# KiCad board C1581i.kicad_pcb
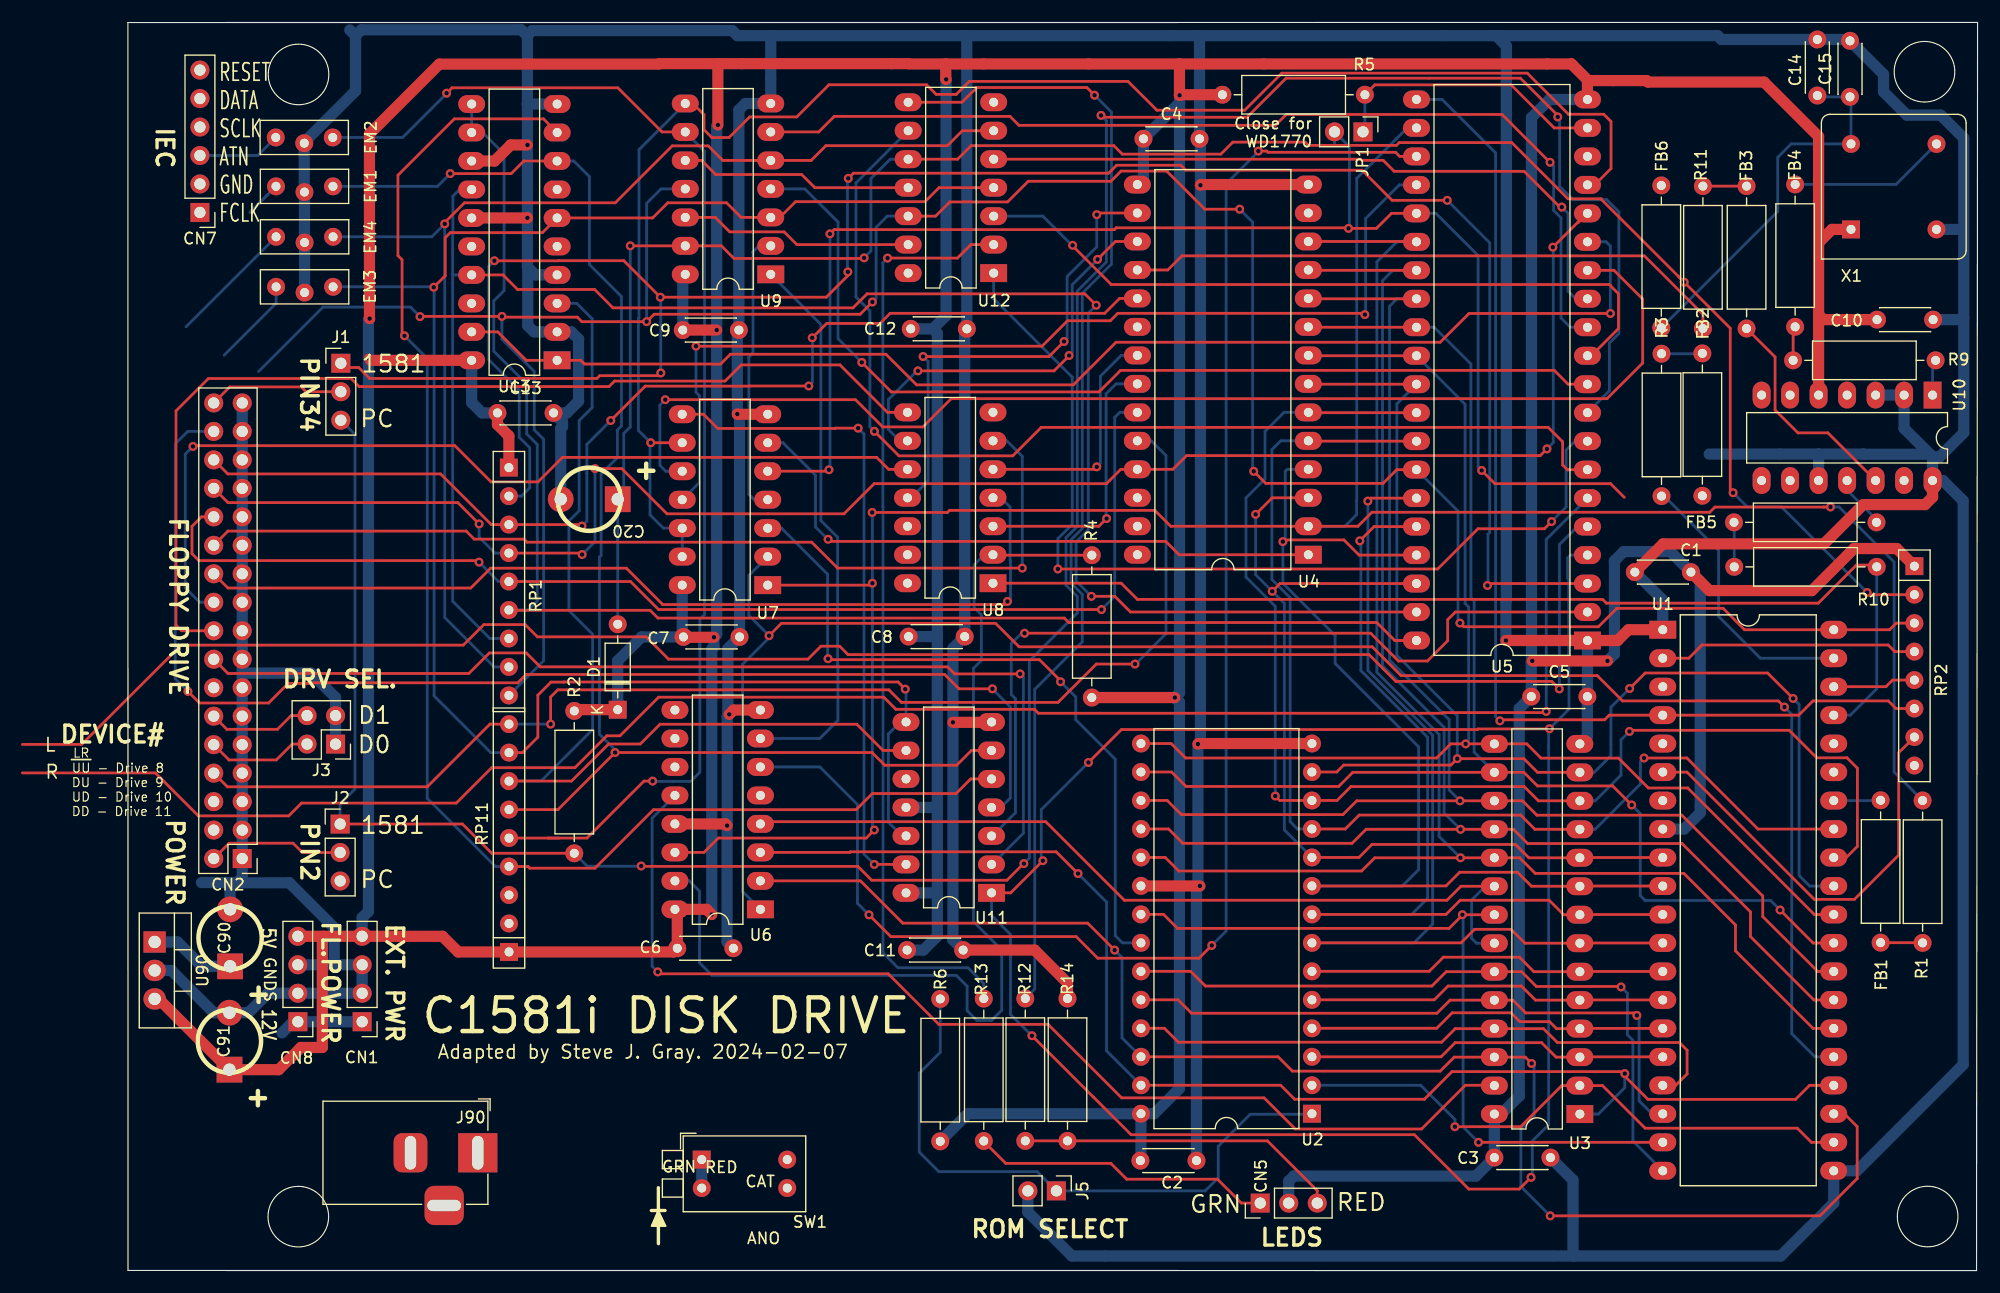
[diagram p0: board, top side]
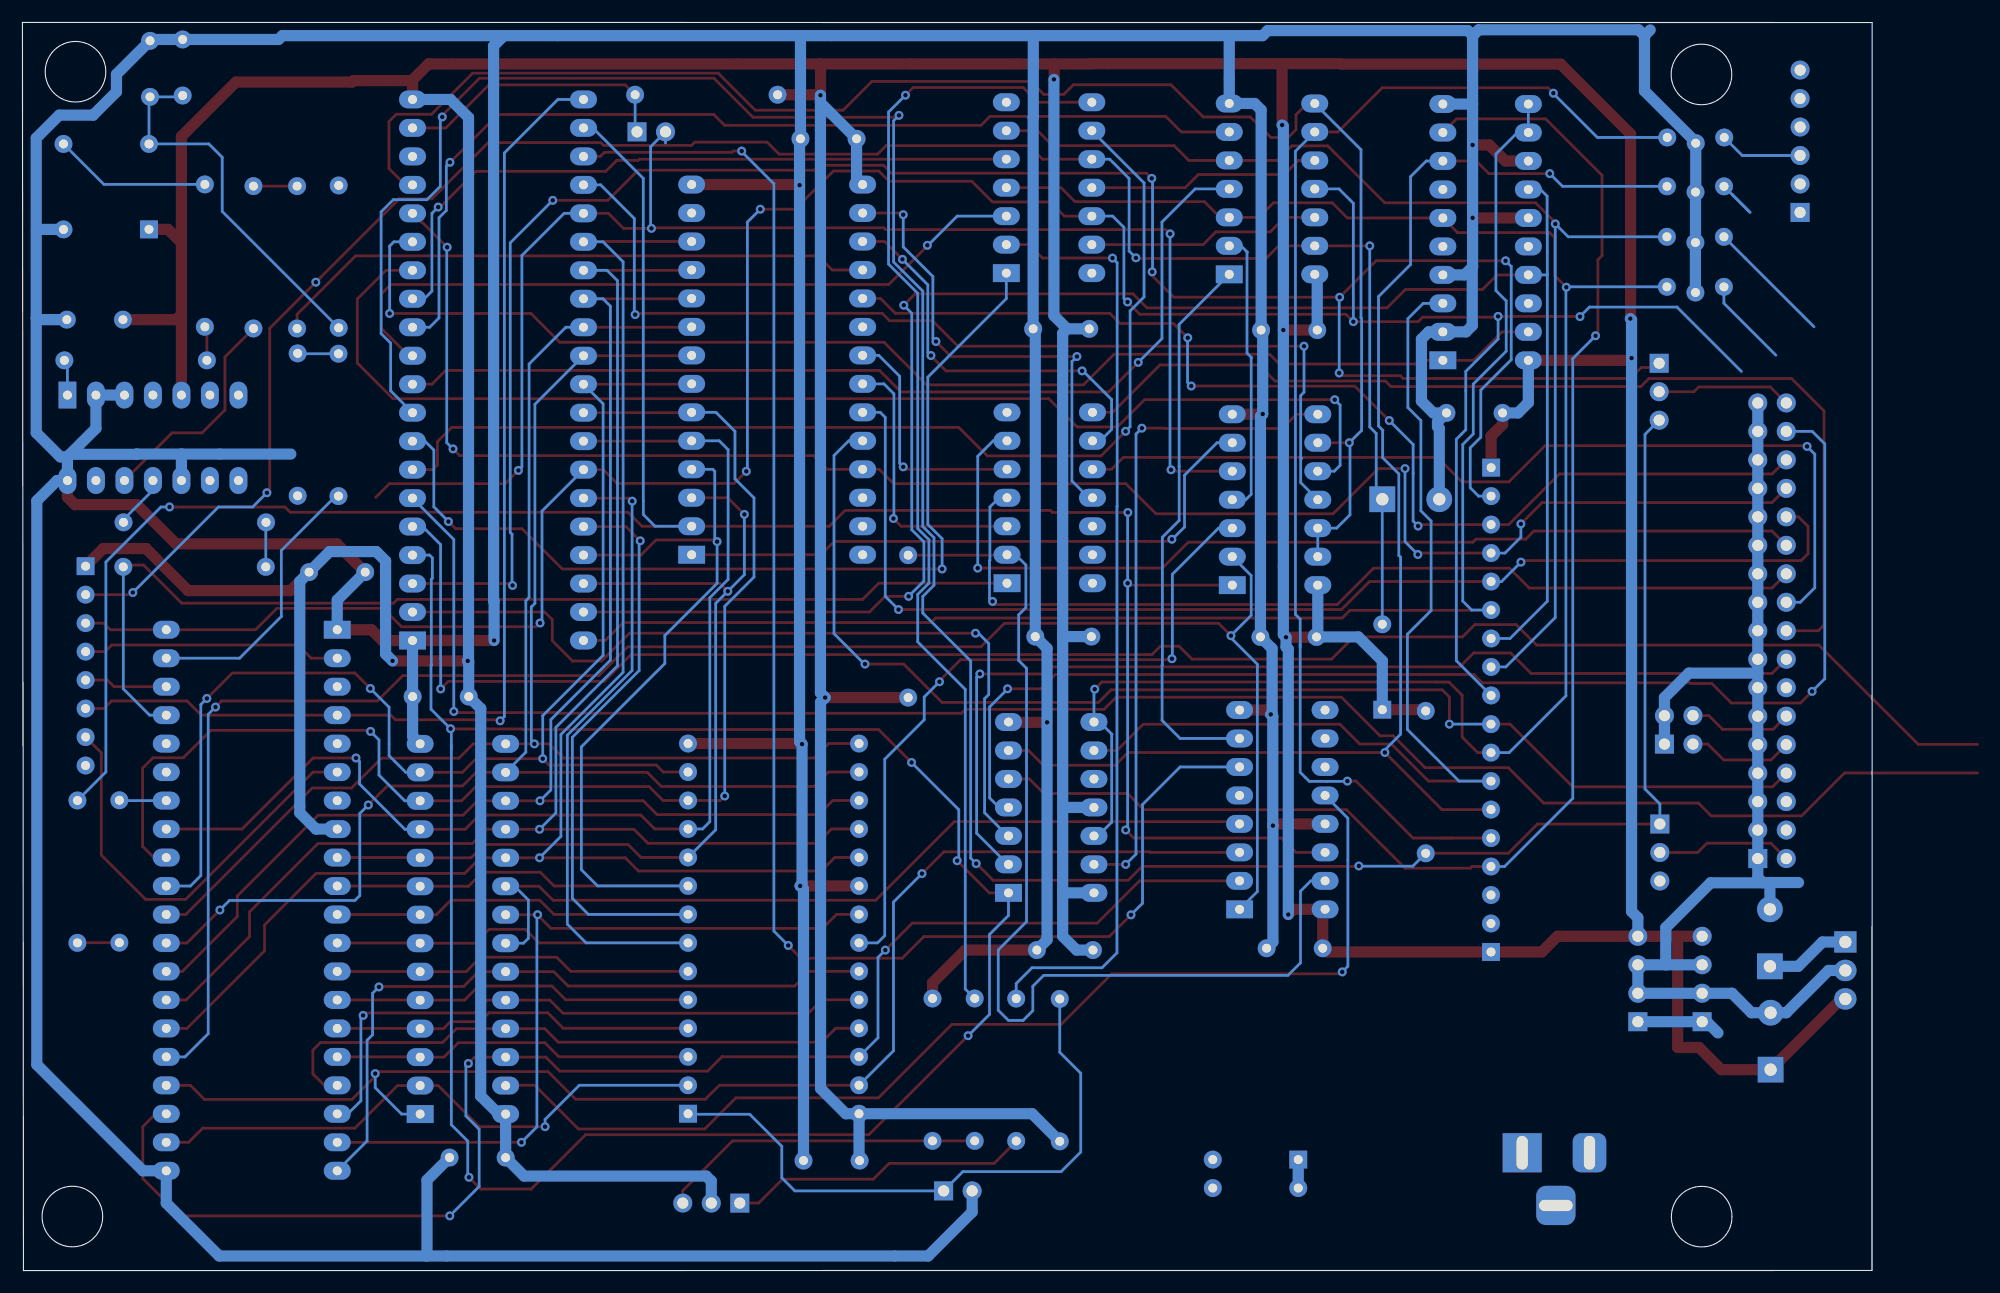
[diagram p1: board, bottom side, seen from below]

Outline 164.87 x 111.33 mm; copper layers: Top, Bottom. Coordinates in mm from the lower left corner of the outline.
Outline path: circle c15.19,4.81 r2.7 ; circle c15.21,106.69 r2.7 ; circle c160.14,106.93 r2.7 ; circle c160.42,4.82 r2.7 ; 0,111.32 0.01,0.01 164.78,0 164.87,111.33 0,111.32

## Placement (name value [footprint] x y rotation side)
C1  0.1uF  [C_Disc_D4.3mm_W1.9mm_P5.00mm]  139.32 62.3 180 top
C2  0.1uF  [C_Disc_D4.3mm_W1.9mm_P5.00mm]  90.25 9.81 0 top
C3  0.1uF  [C_Disc_D4.3mm_W1.9mm_P5.00mm]  121.8 10.08 0 top
C4  0.1uF  [C_Disc_D4.3mm_W1.9mm_P5.00mm]  90.52 100.95 0 top
C5  0.1uF  [C_Disc_D4.3mm_W1.9mm_P5.00mm]  125.09 51.2 0 top
C6  0.1uF  [C_Disc_D4.3mm_W1.9mm_P5.00mm]  48.97 28.75 0 top
C7  0.1uF  [C_Disc_D4.3mm_W1.9mm_P5.00mm]  49.52 56.52 0 top
C8  0.1uF  [C_Disc_D4.3mm_W1.9mm_P5.00mm]  69.59 56.55 0 top
C9  0.1uF  [C_Disc_D4.3mm_W1.9mm_P5.00mm]  49.46 83.89 0 top
C10  0.1uF  [C_Disc_D4.3mm_W1.9mm_P5.00mm]  155.91 84.82 0 top
C11  0.1uF  [C_Disc_D4.3mm_W1.9mm_P5.00mm]  69.45 28.59 0 top
C12  0.1uF  [C_Disc_D4.3mm_W1.9mm_P5.00mm]  69.78 84 0 top
C13  0.1uF  [C_Disc_D4.3mm_W1.9mm_P5.00mm]  32.94 76.5 0 top
C14  0.1uF  [C_Disc_D4.3mm_W1.9mm_P5.00mm]  150.59 104.81 90 top
C15  0.01uF  [C_Disc_D4.3mm_W1.9mm_P5.00mm]  153.5 104.69 90 top
C20  47uF  [CAP_RADIAL_P5.08MM_D6MM]  41.12 68.8 180 top
C90  0.33uF  [CAP_RADIAL_P5.08MM_D6MM]  9.11 29.68 90 top
C91  .1uF  [CAP_RADIAL_P5.08MM_D6MM]  9.05 20.46 90 top
CN1  FLOPPY POWER  [PinHeader_1x04_P2.54mm_Vertical]  20.88 22.2 180 top
CN2  FLOPPY  [PinHeader_2x17_P2.54mm_Vertical]  10.19 36.75 180 top
CN5  LEDS  [PinHeader_1x03_P2.54mm_Vertical]  100.93 6.02 90 top
CN7  INTERNAL IEC  [PinHeader_1x06_P2.54mm_Vertical]  6.42 94.38 180 top
CN8  EXTERNAL POWER  [PinHeader_1x04_P2.54mm_Vertical]  15.15 22.2 180 top
D1  1N914  [D_DO-35_SOD27_P7.62mm_Horizontal]  43.66 50.03 90 top
EM1  EMI  [EMI_Filter]  18.28 96.71 270 top
EM2  EMI  [EMI_Filter]  18.26 101.07 270 top
EM3  EMI  [EMI_Filter]  18.29 87.75 270 top
EM4  EMI  [EMI_Filter]  18.29 92.21 270 top
FB1  R  [R_Axial_DIN0309_L9.0mm_D3.2mm_P12.70mm_Horizontal]  156.23 29.25 90 top
FB2  R  [R_Axial_DIN0309_L9.0mm_D3.2mm_P12.70mm_Horizontal]  140.34 81.81 270 top
FB3  R  [R_Axial_DIN0309_L9.0mm_D3.2mm_P12.70mm_Horizontal]  144.28 84.03 90 top
FB4  R  [R_Axial_DIN0309_L9.0mm_D3.2mm_P12.70mm_Horizontal]  148.61 96.88 270 top
FB5  R  [R_Axial_DIN0309_L9.0mm_D3.2mm_P12.70mm_Horizontal]  143.16 66.74 0 top
FB6  R  [R_Axial_DIN0309_L9.0mm_D3.2mm_P12.70mm_Horizontal]  136.68 96.79 270 top
J1  PIN34  [PinHeader_1x03_P2.54mm_Vertical]  18.98 80.93 0 top
J2  PIN2  [PinHeader_1x03_P2.54mm_Vertical]  18.92 39.83 0 top
J3  DRIVE SELECT  [PinHeader_2x02_P2.54mm_Vertical]  18.51 46.96 180 top
J5  ROM SELECT  [PinHeader_1x02_P2.54mm_Vertical]  82.76 7.11 270 top
J90  Barrel_Jack  [BarrelJack_Horizontal]  31.19 10.51 0 top
JP1  FDC TYPE  [PinHeader_1x02_P2.54mm_Vertical]  110.09 101.57 270 top
R1  47  [R_Axial_DIN0309_L9.0mm_D3.2mm_P12.70mm_Horizontal]  159.97 29.23 90 top
R2  1K  [R_Axial_DIN0309_L9.0mm_D3.2mm_P12.70mm_Horizontal]  39.79 49.92 270 top
R3  47  [R_Axial_DIN0309_L9.0mm_D3.2mm_P12.70mm_Horizontal]  136.7 81.78 270 top
R4  1K  [R_Axial_DIN0309_L9.0mm_D3.2mm_P12.70mm_Horizontal]  85.92 63.81 270 top
R5  2.7K  [R_Axial_DIN0309_L9.0mm_D3.2mm_P12.70mm_Horizontal]  110.26 104.88 180 top
R6  47  [R_Axial_DIN0309_L9.0mm_D3.2mm_P12.70mm_Horizontal]  72.41 11.53 90 top
R9  47  [R_Axial_DIN0309_L9.0mm_D3.2mm_P12.70mm_Horizontal]  161.13 81.19 180 top
R10  47  [R_Axial_DIN0309_L9.0mm_D3.2mm_P12.70mm_Horizontal]  155.88 62.77 180 top
R11  47  [R_Axial_DIN0309_L9.0mm_D3.2mm_P12.70mm_Horizontal]  140.39 96.73 270 top
R12  620  [R_Axial_DIN0309_L9.0mm_D3.2mm_P12.70mm_Horizontal]  79.99 11.57 90 top
R13  150  [R_Axial_DIN0309_L9.0mm_D3.2mm_P12.70mm_Horizontal]  76.29 24.26 270 top
R14  1K  [R_Axial_DIN0309_L9.0mm_D3.2mm_P12.70mm_Horizontal]  83.75 11.57 90 top
RP1  1K  [R_Array_SIP9]  33.96 71.62 270 top
RP2  2.7K  [R_Array_SIP8]  159.24 62.83 270 top
RP11  1K  [R_Array_SIP9]  33.97 28.42 90 top
SW1  DEVICE ID  [SW_DIP_SPSTx02_Piano_10.8x6.64mm_W7.62mm_P2.54mm]  51.15 9.9 0 top
U1  6502  [DIP-40_W15.24mm_LongPads]  136.81 57.16 0 top
U2  27C512  [DIP-28_W15.24mm]  105.54 13.99 180 top
U3  UM61256  [DIP-28_W7.62mm_LongPads]  129.42 13.96 180 top
U4  WD1770  [DIP-28_W15.24mm_LongPads]  105.22 63.85 180 top
U5  6526  [DIP-40_W15.24mm_LongPads]  130.1 56.2 180 top
U6  74LS139  [DIP-16_W7.62mm_LongPads]  56.38 32.22 180 top
U7  74LS00  [DIP-14_W7.62mm_LongPads]  57.03 61.14 180 top
U8  7405  [DIP-14_W7.62mm_LongPads]  77.11 61.31 180 top
U9  74LS14  [DIP-14_W7.62mm_LongPads]  57.3 88.86 180 top
U10  74LS93  [DIP-14_W7.62mm_LongPads]  160.86 78.09 270 top
U11  7407  [DIP-14_W7.62mm_LongPads]  76.98 33.69 180 top
U12  7406  [DIP-14_W7.62mm_LongPads]  77.17 88.97 180 top
U13  74LS241  [DIP-20_W7.62mm_LongPads]  38.26 81.19 180 top
U90  L7805  [TO-220-3_Vertical]  2.39 29.31 270 top
X1  CXO_DIP8  [Oscillator_DIP-8]  153.59 92.87 0 top

## Library data of the parts
C1-C15 C20 = -: Description: Unpolarized capacitor
C90 C91 = -: Description: Polarized capacitor, small symbol
CN1 CN8 = -: Description: Generic connector, single row, 01x04, script generated (kicad-library-utils/schlib/autogen/connector/)
CN2 = -: Description: Generic connector, double row, 02x17, odd/even pin numbering scheme (row 1 odd numbers, row 2 even numbers), script generated (kicad-library-utils/schlib/autogen/connector/)
CN5 J1 J2 = -: Description: Generic connector, single row, 01x03, script generated (kicad-library-utils/schlib/autogen/connector/)
CN7 = -: Description: Generic connector, single row, 01x06, script generated (kicad-library-utils/schlib/autogen/connector/)
D1 = -: Description: 100V 0.3A Small Signal Fast Switching Diode, DO-35; Sim.Device: D; Sim.Pins: 1=K 2=A
EM1-EM4 = -: Description: EMI filter, single capacitor
FB1-FB6 R1-R6 R9-R14 = -: Description: Resistor
J3 = -: Description: Generic connector, double row, 02x02, odd/even pin numbering scheme (row 1 odd numbers, row 2 even numbers), script generated (kicad-library-utils/schlib/autogen/connector/)
J5 = -: Description: Generic connector, single row, 01x02, script generated (kicad-library-utils/schlib/autogen/connector/)
J90 = -: Description: DC Barrel Jack
JP1 = -: Description: Jumper, 2-pole, open
RP1 RP11 = -: Description: 8 resistor network, star topology, bussed resistors, split
RP2 = -: Description: 6 resistor network, star topology, bussed resistors, split
SW1 = -: Description: 2x DIP Switch, Single Pole Single Throw (SPST) switch, small symbol
U2 = -: Description: OTP EPROM 512 KiBit
U4 = -: Description: Western Digital Floppy Disk Controller DIP
U6 = -: Description: Dual Decoder 1 of 4, Active low outputs
U7 = -: Description: quad 2-input NAND gate
U9 = -: Description: Hex inverter schmitt trigger
U10 = -: Description: Divide by 2 & 8 counter
U13 = -: Description: Octal Buffer and Line Driver With 3-State Output, complementary enables, non-inverting outputs
U90 = -: Description: Positive 1.5A 35V Linear Regulator, Fixed Output 5V, TO-220/TO-263/TO-252
X1 = -: Description: Crystal Clock Oscillator, DIP8-style metal package

## Footprints (pads in the part's own frame, mm; a bottom-side part is the same pattern mirrored in y, then rotated)
BarrelJack_Horizontal
  rect 3.5x3.5 hole 1x3: 1(0,0)
  rrect 3x3.5 hole 1x3: 2(-6,0)
  rrect 3.5x3.5 hole 3x1: 3(-3,-4.7)
C_Disc_D4.3mm_W1.9mm_P5.00mm
  round 1.6 hole 0.8: 1(0,0) 2(5,0)
CAP_RADIAL_P5.08MM_D6MM
  rect 2.3x2.3 hole 1.1: 1(-2.54,0)
  round 2.3 hole 1.1: 2(2.54,0)
D_DO-35_SOD27_P7.62mm_Horizontal
  rect 1.6x1.6 hole 0.8: 1(0,0)
  oval 1.6x1.6 hole 0.8: 2(7.62,0)
DIP-14_W7.62mm_LongPads
  rect 2.4x1.6 hole 0.8: 1(0,0)
  oval 2.4x1.6 hole 0.8: 2(0,-2.54) 3(0,-5.08) 4(0,-7.62) 5(0,-10.16) 6(0,-12.7) 7(0,-15.24) 8(7.62,-15.24) 9(7.62,-12.7) 10(7.62,-10.16) 11(7.62,-7.62) 12(7.62,-5.08) 13(7.62,-2.54) 14(7.62,0)
DIP-16_W7.62mm_LongPads
  rect 2.4x1.6 hole 0.8: 1(0,0)
  oval 2.4x1.6 hole 0.8: 2(0,-2.54) 3(0,-5.08) 4(0,-7.62) 5(0,-10.16) 6(0,-12.7) 7(0,-15.24) 8(0,-17.78) 9(7.62,-17.78) 10(7.62,-15.24) 11(7.62,-12.7) 12(7.62,-10.16) 13(7.62,-7.62) 14(7.62,-5.08) 15(7.62,-2.54) 16(7.62,0)
DIP-20_W7.62mm_LongPads
  rect 2.4x1.6 hole 0.8: 1(0,0)
  oval 2.4x1.6 hole 0.8: 2(0,-2.54) 3(0,-5.08) 4(0,-7.62) 5(0,-10.16) 6(0,-12.7) 7(0,-15.24) 8(0,-17.78) 9(0,-20.32) 10(0,-22.86) 11(7.62,-22.86) 12(7.62,-20.32) 13(7.62,-17.78) 14(7.62,-15.24) 15(7.62,-12.7) 16(7.62,-10.16) 17(7.62,-7.62) 18(7.62,-5.08) 19(7.62,-2.54) 20(7.62,0)
DIP-28_W7.62mm_LongPads
  rect 2.4x1.6 hole 0.8: 1(0,0)
  oval 2.4x1.6 hole 0.8: 2(0,-2.54) 3(0,-5.08) 4(0,-7.62) 5(0,-10.16) 6(0,-12.7) 7(0,-15.24) 8(0,-17.78) 9(0,-20.32) 10(0,-22.86) 11(0,-25.4) 12(0,-27.94) 13(0,-30.48) 14(0,-33.02) 15(7.62,-33.02) 16(7.62,-30.48) 17(7.62,-27.94) 18(7.62,-25.4) 19(7.62,-22.86) 20(7.62,-20.32) 21(7.62,-17.78) 22(7.62,-15.24) 23(7.62,-12.7) 24(7.62,-10.16) 25(7.62,-7.62) 26(7.62,-5.08) 27(7.62,-2.54) 28(7.62,0)
DIP-28_W15.24mm
  rect 1.6x1.6 hole 0.8: 1(0,0)
  oval 1.6x1.6 hole 0.8: 2(0,-2.54) 3(0,-5.08) 4(0,-7.62) 5(0,-10.16) 6(0,-12.7) 7(0,-15.24) 8(0,-17.78) 9(0,-20.32) 10(0,-22.86) 11(0,-25.4) 12(0,-27.94) 13(0,-30.48) 14(0,-33.02) 15(15.24,-33.02) 16(15.24,-30.48) 17(15.24,-27.94) 18(15.24,-25.4) 19(15.24,-22.86) 20(15.24,-20.32) 21(15.24,-17.78) 22(15.24,-15.24) 23(15.24,-12.7) 24(15.24,-10.16) 25(15.24,-7.62) 26(15.24,-5.08) 27(15.24,-2.54) 28(15.24,0)
DIP-28_W15.24mm_LongPads
  rect 2.4x1.6 hole 0.8: 1(0,0)
  oval 2.4x1.6 hole 0.8: 2(0,-2.54) 3(0,-5.08) 4(0,-7.62) 5(0,-10.16) 6(0,-12.7) 7(0,-15.24) 8(0,-17.78) 9(0,-20.32) 10(0,-22.86) 11(0,-25.4) 12(0,-27.94) 13(0,-30.48) 14(0,-33.02) 15(15.24,-33.02) 16(15.24,-30.48) 17(15.24,-27.94) 18(15.24,-25.4) 19(15.24,-22.86) 20(15.24,-20.32) 21(15.24,-17.78) 22(15.24,-15.24) 23(15.24,-12.7) 24(15.24,-10.16) 25(15.24,-7.62) 26(15.24,-5.08) 27(15.24,-2.54) 28(15.24,0)
DIP-40_W15.24mm_LongPads
  rect 2.4x1.6 hole 0.8: 1(0,0)
  oval 2.4x1.6 hole 0.8: 2(0,-2.54) 3(0,-5.08) 4(0,-7.62) 5(0,-10.16) 6(0,-12.7) 7(0,-15.24) 8(0,-17.78) 9(0,-20.32) 10(0,-22.86) 11(0,-25.4) 12(0,-27.94) 13(0,-30.48) 14(0,-33.02) 15(0,-35.56) 16(0,-38.1) 17(0,-40.64) 18(0,-43.18) 19(0,-45.72) 20(0,-48.26) 21(15.24,-48.26) 22(15.24,-45.72) 23(15.24,-43.18) 24(15.24,-40.64) 25(15.24,-38.1) 26(15.24,-35.56) 27(15.24,-33.02) 28(15.24,-30.48) 29(15.24,-27.94) 30(15.24,-25.4) 31(15.24,-22.86) 32(15.24,-20.32) 33(15.24,-17.78) 34(15.24,-15.24) 35(15.24,-12.7) 36(15.24,-10.16) 37(15.24,-7.62) 38(15.24,-5.08) 39(15.24,-2.54) 40(15.24,0)
EMI_Filter
  round 1.6 hole 0.8: 1(0,0) 2(0.508,-2.54) 3(0,-5.08)
Oscillator_DIP-8
  rect 1.6x1.6 hole 0.8: 1(0,0)
  round 1.6 hole 0.8: 4(7.62,0) 5(7.62,7.62) 8(0,7.62)
PinHeader_1x02_P2.54mm_Vertical
  rect 1.7x1.7 hole 1: 1(0,0)
  oval 1.7x1.7 hole 1: 2(0,-2.54)
PinHeader_1x03_P2.54mm_Vertical
  rect 1.7x1.7 hole 1: 1(0,0)
  oval 1.7x1.7 hole 1: 2(0,-2.54) 3(0,-5.08)
PinHeader_1x04_P2.54mm_Vertical
  rect 1.7x1.7 hole 1: 1(0,0)
  oval 1.7x1.7 hole 1: 2(0,-2.54) 3(0,-5.08) 4(0,-7.62)
PinHeader_1x06_P2.54mm_Vertical
  rect 1.7x1.7 hole 1: 1(0,0)
  oval 1.7x1.7 hole 1: 2(0,-2.54) 3(0,-5.08) 4(0,-7.62) 5(0,-10.16) 6(0,-12.7)
PinHeader_2x02_P2.54mm_Vertical
  rect 1.7x1.7 hole 1: 1(0,0)
  oval 1.7x1.7 hole 1: 2(2.54,0) 3(0,-2.54) 4(2.54,-2.54)
PinHeader_2x17_P2.54mm_Vertical
  rect 1.7x1.7 hole 1: 1(0,0)
  oval 1.7x1.7 hole 1: 2(2.54,0) 3(0,-2.54) 4(2.54,-2.54) 5(0,-5.08) 6(2.54,-5.08) 7(0,-7.62) 8(2.54,-7.62) 9(0,-10.16) 10(2.54,-10.16) 11(0,-12.7) 12(2.54,-12.7) 13(0,-15.24) 14(2.54,-15.24) 15(0,-17.78) 16(2.54,-17.78) 17(0,-20.32) 18(2.54,-20.32) 19(0,-22.86) 20(2.54,-22.86) 21(0,-25.4) 22(2.54,-25.4) 23(0,-27.94) 24(2.54,-27.94) 25(0,-30.48) 26(2.54,-30.48) 27(0,-33.02) 28(2.54,-33.02) 29(0,-35.56) 30(2.54,-35.56) 31(0,-38.1) 32(2.54,-38.1) 33(0,-40.64) 34(2.54,-40.64)
R_Array_SIP8
  rect 1.6x1.6 hole 0.8: 1(0,0)
  oval 1.6x1.6 hole 0.8: 2(2.54,0) 3(5.08,0) 4(7.62,0) 5(10.16,0) 6(12.7,0) 7(15.24,0) 8(17.78,0)
R_Array_SIP9
  rect 1.6x1.6 hole 0.8: 1(0,0)
  oval 1.6x1.6 hole 0.8: 2(2.54,0) 3(5.08,0) 4(7.62,0) 5(10.16,0) 6(12.7,0) 7(15.24,0) 8(17.78,0) 9(20.32,0)
R_Axial_DIN0309_L9.0mm_D3.2mm_P12.70mm_Horizontal
  round 1.6 hole 0.8: 1(0,0)
  oval 1.6x1.6 hole 0.8: 2(12.7,0)
SW_DIP_SPSTx02_Piano_10.8x6.64mm_W7.62mm_P2.54mm
  rect 1.6x1.6 hole 0.8: 1(0,0)
  oval 1.6x1.6 hole 0.8: 2(0,-2.54) 3(7.62,-2.54) 4(7.62,0)
TO-220-3_Vertical
  rect 1.905x2 hole 1.1: 1(0,0)
  oval 1.905x2 hole 1.1: 2(2.54,0) 3(5.08,0)

## Nets
5V: C1.1 C2.1 C3.1 C4.1 C5.1 C6.1 C7.1 C8.1 C9.1 C10.1 C11.1 C12.1 C13.1 C91.1 CN1.4 CN5.2 CN8.4 D1.1 FB6.1 R2.1 R4.2 R5.2 R6.1 RP1.1 RP2.1 RP11.1 U1.8 U2.28 U3.28 U4.15 U5.20 U6.16 U7.14 U9.14 U10.5 U11.11 U11.14 U13.20 U90.3 X1.1
12V: CN1.1 CN8.1
12VIN: C90.1 J90.1 U90.1
GND: C1.2 C2.2 C3.2 C4.2 C5.2 C6.2 C7.2 C8.2 C9.2 C10.2 C11.2 C12.2 C13.2 C14.2 C15.2 C20.2 C90.2 C91.2 CN1.2 CN1.3 CN2.1 CN2.3 CN2.5 CN2.7 CN2.9 CN2.11 CN2.13 CN2.15 CN2.17 CN2.19 CN2.21 CN2.23 CN2.25 CN2.27 CN2.29 CN2.31 CN2.33 CN7.2 CN8.2 CN8.3 EM1.2 EM2.2 EM3.2 EM4.2 J3.1 J3.3 J5.2 J90.2 R14.2 SW1.1 SW1.2 U1.1 U1.21 U2.14 U2.20 U3.14 U4.14 U5.1 U6.8 U6.13 U7.7 U9.7 U10.2 U10.3 U10.10 U10.14 U11.7 U13.2 U13.4 U13.10 U13.13 U13.15 U90.2 X1.4
A0: U1.9 U2.10 U3.10 U4.3 U5.38
A1: U1.10 U2.9 U3.9 U4.4 U5.37
A2: U1.11 U2.8 U3.8 U5.36
A3: U1.12 U2.7 U3.7 U5.35
A4: U1.13 U2.6 U3.6
A5: U1.14 U2.5 U3.5
A6: U1.15 U2.4 U3.4
A7: U1.16 U2.3 U3.3
A8: U1.17 U2.25 U3.25
A9: U1.18 U2.24 U3.24
A10: U1.19 U2.21 U3.21
A11: U1.20 U2.23 U3.23
A12: U1.22 U2.2 U3.2
A13: U1.23 U2.26 U3.26 U6.2
A14: U1.24 U2.27 U3.1 U6.3
A15: U1.25 U6.1 U7.2
ACTLED: U5.8 U12.1
ATN_ACK: U5.14 U7.10
ATN_IN: U5.17 U7.9 U7.12 U7.13 U9.8
CLK_IN: U5.12 U9.6
CLK_OUT: U5.13 U12.5
CNT: RP1.6 U5.40 U13.11 U13.12
D0: U1.33 U2.11 U3.11 U4.5 U5.33
D1: U1.32 U2.12 U3.12 U4.6 U5.32
D2: U1.31 U2.13 U3.13 U4.7 U5.31
D3: U1.30 U2.15 U3.15 U4.8 U5.30
D4: U1.29 U2.16 U3.16 U4.9 U5.29
D5: U1.28 U2.17 U3.17 U4.10 U5.28
D6: U1.27 U2.18 U3.18 U4.11 U5.27
D7: U1.26 U2.19 U3.19 U4.12 U5.26
DATA: EM3.1 RP11.8 U9.3 U11.8 U11.12 U12.4 U13.6
DATA_IN: U5.10 U9.4
DATA_OUT: U5.11 U12.3
DIRECTION: CN2.18 U8.8
FAST_CLK: EM1.1 RP11.6 U11.6 U13.8
FAST_SER_DIR: U5.15 U13.1 U13.19
FD_PIN2: CN2.2 J2.2
FD_PIN34: CN2.34 J1.2
FDC_CLOCK: R11.2 U4.18
GREEN_LED: CN5.1 R13.2
INDEX: CN2.8 RP11.9 U4.24
MOTOREN: CN2.16 U11.2
PHI0: R10.1 U1.37 U8.1
PHI2: JP1.2 R3.2 U5.25 U7.5
POWERLED: U5.7 U12.9
R/~{W}: R1.2 U4.2 U5.22 U6.14 U7.1
RDY: RP2.4 U1.2
READDATA: CN2.30 RP1.3 U4.19
RED_LED: CN5.3 R12.1 R14.1
S0: RP2.5 U1.38
SELECT0: CN2.10 J3.2
SELECT1: CN2.12 J3.4
SIDE0: U5.2 U11.3
SIDESELECT: CN2.32 U11.4
SLOW_CLK: EM4.1 RP1.8 U9.5 U12.6
SP: RP1.7 U5.39 U13.14 U13.17
STEP: CN2.20 U8.10
TRACK00: CN2.26 RP1.5 U4.23
WRITEDATA: CN2.22 U8.4
WRITEGATE: CN2.24 U8.6
WRITEPROTECT: CN2.28 RP1.4 U4.25 U5.16
~{ATN}: EM2.1 RP11.5 U9.9
~{CIA_SEL}: U5.23 U6.6
~{DISKCHANGE}: J1.3 J2.1 R2.2 U5.9
~{FLAG}: U5.24 U7.11
~{IRQ}: RP2.6 U1.4 U5.21
~{MOTOR}: U5.4 U11.1
~{NMI}: RP2.7 U1.6
~{RAM_OE}: U3.20 U3.22 U6.4
~{RAMWE}: U3.27 U6.12
~{RDY}: J1.1 RP1.2 U5.3
~{RESET}: CN7.6 RP1.9 RP2.3 U1.40 U5.34 U9.11 U12.12
~{ROM_OE}: U2.22 U7.3
~{WD_CS}: U4.1 U7.6
~{WDSEL}: U6.7 U9.1
Net-(CN7-Pin_1): CN7.1 EM1.3
Net-(CN7-Pin_3): CN7.3 EM2.3
Net-(CN7-Pin_4): CN7.4 EM4.3
Net-(CN7-Pin_5): CN7.5 EM3.3
Net-(D1-A): C20.1 D1.2 RP2.2 U9.13 U12.10
Net-(FB1-Pad1): FB1.1 R1.1
Net-(FB2-Pad1): FB2.1 R3.1
Net-(FB3-Pad2): FB3.2 R11.1
Net-(FB4-Pad2): FB4.2 R9.2
Net-(FB5-Pad1): FB5.1 R10.2
Net-(J5-Pin_1): J5.1 R6.2 U2.1
Net-(JP1-A): JP1.1 R5.1 U5.19
Net-(R12-Pad2): R12.2 U12.8
Net-(R13-Pad1): R13.1 U12.2
Net-(RP11C-R3.2): RP11.4 U11.5 U13.9
Net-(RP11F-R6.2): RP11.7 U11.9 U13.3
Net-(U1-02): FB2.2 U1.39
Net-(U1-R/~{W}): FB1.2 U1.34
Net-(U4-DIRC): U4.17 U8.9
Net-(U4-STEP): U4.16 U8.11
Net-(U4-WD): U4.22 U8.3
Net-(U4-WG): U4.21 U8.5
Net-(U5-PA3): SW1.4 U5.5
Net-(U5-PA4): SW1.3 U5.6
Net-(U6B-E): R4.1 U6.15 U8.2
Net-(U7-Pad4): U7.4 U9.2
Net-(U10-CP1..3): R9.1 U10.1
Net-(U10-Q0): FB3.1 U10.12
Net-(U10-Q3): FB5.2 U10.11
Net-(U11-Pad13): U7.8 U11.13
Net-(U12-Pad11): U9.10 U12.11
Net-(U12-Pad13): U9.12 U12.13
Net-(X1-OUT): FB4.1 X1.5
Net-(X1-Vcc): C14.1 C15.1 FB6.2 X1.8

Pads without a net: CN2 4 6 14; J2 3; J90 3; RP2 8; RP11 2 3; U1 3 5 7 35 36; U4 13 20 26 27 28; U5 18; U6 5 9 10 11; U8 7 12 13 14; U10 4 6 7 8 9 13; U11 10; U12 7 14; U13 5 7 16 18

## Via types
v1: diameter 0.8, hole 0.4, Top to Bottom, 150 vias

## Routing (per net, layer and track width the routed paths; a pad name or vN(x,y) marks a point on that pad's centre or on a via; arc(x,y) is an arc through that point)
5V: length 862.8
  Top w1: 72.9,107.63 72.9,106.28 v1(72.93,106.25) ; 72.9,107.63 93.73,107.63 ; 72.9,107.63 69.62,107.63 ; C6.1 49.03,28.75 ; C6.1 48.97,32.01 U6.16 51.58,32.22 v1(52.04,31.76) ; C6.1 48.64,28.42 RP11.1 29.44,28.42 28.04,29.82 CN1.4 17.39,29.82 ; C1.1 140.97,60.65 150.1,60.65 153.85,64.4 157.67,64.4 RP2.1 ; v1(52.59,102.18) 52.59,107.59 52.65,107.65 ; 150.7,85.26 150.7,91.68 ; 150.7,85.26 U10.5 ; 150.7,85.26 151.14,84.82 C10.1 ; 150.7,91.68 151.89,92.87 X1.1 ; 150.7,91.68 150.7,101.15 145.84,106.01 135.49,106.01 135.36,106.14 130.16,106.14 ; 52.65,107.65 69.6,107.65 ; 52.65,107.65 47.36,107.65 ; R4.2 v1(93.32,51.11) ; 130.16,106.14 128.67,107.63 93.73,107.63 ; 130.16,106.14 130.1,106.2 U5.20 ; 17.39,29.82 17.33,29.76 17.33,19.9 15.42,19.9 13.44,17.92 C91.1 2.74,24.23 U90.3 ; 17.39,29.82 CN8.4 ; R5.2 93.79,104.88 v1(93.74,104.83) 93.73,104.84 93.73,107.63 ; 21.64,81.19 U13.20 ; v1(125.18,54.38) v1(131.88,54.38) ; 47.32,107.61 27.76,107.61 21.53,101.38 21.53,84.93 v1(21.55,84.91) ; C13.1 32.94,75.46 33.96,74.44 RP1.1 ; C9.1 v1(52.48,83.89) ; R2.1 39.9,50.03 D1.1 ; v1(52.24,56.49) 49.55,56.49 C7.1
  Bottom w1: U2.28 74.87,13.99 R6.1 ; U2.28 91.48,13.99 93.73,16.24 93.73,50.7 v1(93.32,51.11) 93.74,51.53 v1(93.74,104.83) 93.74,104.17 C4.1 90.52,97.41 U4.15 ; U2.28 90.3,9.86 C2.1 ; 72.15,33.71 72.15,41.31 ; 72.15,33.71 72.15,29.83 70.91,28.59 C11.1 ; 72.15,33.71 72.13,33.69 U11.14 ; 72.15,41.31 U11.11 ; 72.15,41.31 72.15,56.41 ; D1.1 43.66,54.39 45.79,56.52 C7.1 49.41,56.63 U7.14 ; U13.20 30.64,77.42 31.56,76.5 C13.1 ; 72.15,56.41 72.15,83.6 71.75,84 ; 72.15,56.41 72.01,56.55 C8.1 ; 71.75,84 72.93,85.18 v1(72.93,106.25) ; 71.75,84 C12.1 ; v1(131.88,54.38) 132.5,55 132.5,63.3 133.33,64.13 137.49,64.13 C1.1 140.15,61.47 140.15,40.83 138.7,39.38 U1.8 ; v1(21.55,84.91) 21.44,84.8 v1(21.44,81.39) 21.44,32.03 20.88,31.47 CN1.4 ; v1(52.59,102.18) 52.48,102.07 v1(52.48,83.89) 52.48,56.73 v1(52.24,56.49) 52.24,55.63 52.04,55.43 v1(52.04,31.76) ; C9.1 49.46,88.64 U9.14 ; U5.20 126.72,104.46 125.11,102.85 125.11,54.45 v1(125.18,54.38) 125.09,54.29 C5.1 124.02,50.13 124.02,15.59 124.03,15.58 122.41,13.96 U3.28 C3.1 120.15,8.43 103.92,8.43 103.47,7.98 CN5.2
12V: length 7.6
  Bottom w1: CN1.1 CN8.1 14.74,22.2 13.74,21.2
12VIN: length 7.6
  Bottom w1: C90.1 6.59,27.14 4.42,29.31 U90.1
GND: length 1007.2
  Top w1: U13.15 35.6,93.89 v1(35.61,93.9) ; U6.13 53.26,39.84 v1(53.41,39.69) ; U13.13 32.69,98.97 34.12,100.4 v1(35.61,100.4) ; R14.2 83.75,25.66 80.82,28.59 C11.2 ; U7.7 54.34,76.38 v1(54.32,76.4) ; v1(95.6,96.81) 95.66,96.87 U4.14 ; v1(53.6,49.61) 53.99,50 U6.8 ; U1.1 133.75,57.16 132.79,56.2 U5.1 v1(122.83,56.2) ; U10.14 160.86,68.99 160.19,68.32 154.68,68.32 151.18,64.82 136.84,64.82 C1.2 ; v1(95.38,46.96) 95.43,47.01 U2.14 ; v1(73.54,48.9) 76.95,48.9 U11.7 ; U2.20 v1(95.55,34.31)
  Bottom w1: 128.85,1.3 147.33,1.3 152.05,6.02 U1.21 154.12,8.9 163.59,18.37 163.59,68.66 161.78,70.47 U10.14 160.86,72.58 ; 128.85,1.3 84.14,1.3 80.22,5.22 J5.2 ; 128.85,1.3 128.81,1.34 128.81,8.07 C3.2 ; 8.88,34.61 9.11,34.38 C90.2 ; 8.88,34.61 6.56,34.61 ; 8.88,34.61 9.74,34.61 ; U13.10 35.62,104.05 35.61,104.06 ; 140.95,72.83 150.7,72.83 ; 74.6,110.15 74.77,110.15 74.77,102.87 74.78,102.86 C12.2 ; 74.6,110.15 95.5,110.15 ; 74.6,110.15 57.3,110.15 ; 150.7,72.83 U10.10 ; 150.7,72.83 154.68,72.83 154.7,72.81 160.63,72.81 160.86,72.58 ; 163.64,84.98 163.48,84.82 C10.2 ; 163.64,84.98 163.64,74.73 161.49,72.58 160.86,72.58 ; 163.64,84.98 163.64,101.01 161.59,103.06 158.57,103.06 156.49,105.14 156.49,106.7 C15.2 153.38,109.81 C14.2 142.04,109.81 141.7,110.15 121.95,110.15 ; 35.61,104.06 35.61,110.13 35.59,110.15 ; 35.61,104.06 v1(35.61,93.9) 35.61,89.53 ; v1(122.83,56.2) 122.83,59.71 122.87,59.75 122.87,109.23 121.95,110.15 ; 18.39,27.28 18.39,30.59 14.39,34.59 9.76,34.59 9.74,34.61 ; 18.39,27.28 CN8.3 ; 18.39,27.28 CN1.3 CN1.2 CN8.2 12.49,24.74 10.75,23 C91.2 7.65,23 3.88,26.77 U90.2 ; 160.86,72.58 158.32,75.12 U10.2 U10.3 ; 121.95,110.15 95.5,110.15 ; CN2.33 CN2.31 CN2.29 CN2.27 CN2.25 CN2.23 CN2.21 CN2.19 CN2.17 CN2.15 10.19,53.29 ; 35.59,110.15 36.04,110.6 53.88,110.6 54.33,110.15 57.3,110.15 ; 35.59,110.15 35.07,110.67 20.81,110.67 20.29,110.15 ; 35.61,89.53 36.33,88.81 U13.4 ; 35.61,89.53 35.64,89.5 35.64,84.29 36.2,83.73 U13.2 39.52,83.73 40.17,83.08 40.17,77.55 39.12,76.5 C13.2 38.74,75.7 38.74,75.28 38.58,75.12 C20.2 ; C12.2 74.59,83.81 C8.2 73.54,55.5 73.54,29.5 C11.2 ; C12.2 74.57,83.79 ; 10.19,53.29 CN2.13 CN2.11 CN2.9 CN2.7 CN2.5 CN2.3 CN2.1 10.19,35.06 9.74,34.61 ; 10.19,53.29 16.33,53.29 18.51,51.11 J3.3 J3.1 ; 20.29,110.15 20.29,105.22 15.72,100.65 EM2.2 15.72,96.22 EM1.2 15.74,91.71 EM4.2 EM3.2 ; 20.29,110.15 19.78,110.66 ; 57.3,110.15 U9.7 55.04,104.1 54.46,103.52 C9.2 54.32,83.75 v1(54.32,76.4) 54.52,76.2 C7.2 53.48,55.48 53.48,49.73 v1(53.6,49.61) 53.42,49.43 53.42,39.7 v1(53.41,39.69) 53.41,29.31 C6.2 ; X1.4 163.63,92.87 ; C2.2 95.25,34.01 v1(95.55,34.31) 95.38,34.48 v1(95.38,46.96) 95.6,47.18 v1(95.6,96.81) 95.6,100.87 C4.2 95.52,110.13 95.5,110.15 ; U3.14 130.09,47.65 C5.2 130.1,51.21 U5.1 ; SW1.2 SW1.1 ; U1.1 136.81,59.81 C1.2